# Altium PCB MB1364.PcbDoc (part 3 of 4)
Units mm, origin at the board's own origin, x right, y up, seen from the top; angles counter-clockwise.
Board outline 67.71 x 181.1 mm, 6 copper layers (Top Layer, Signal Layer 1, Signal Layer 2, Signal Layer 3, Signal Layer 4, Bottom Layer), stack 1.57 mm thick; 215 components, 268 nets, 726 pads, 253 vias.
Unrouted connection lines stored in the file: 311.
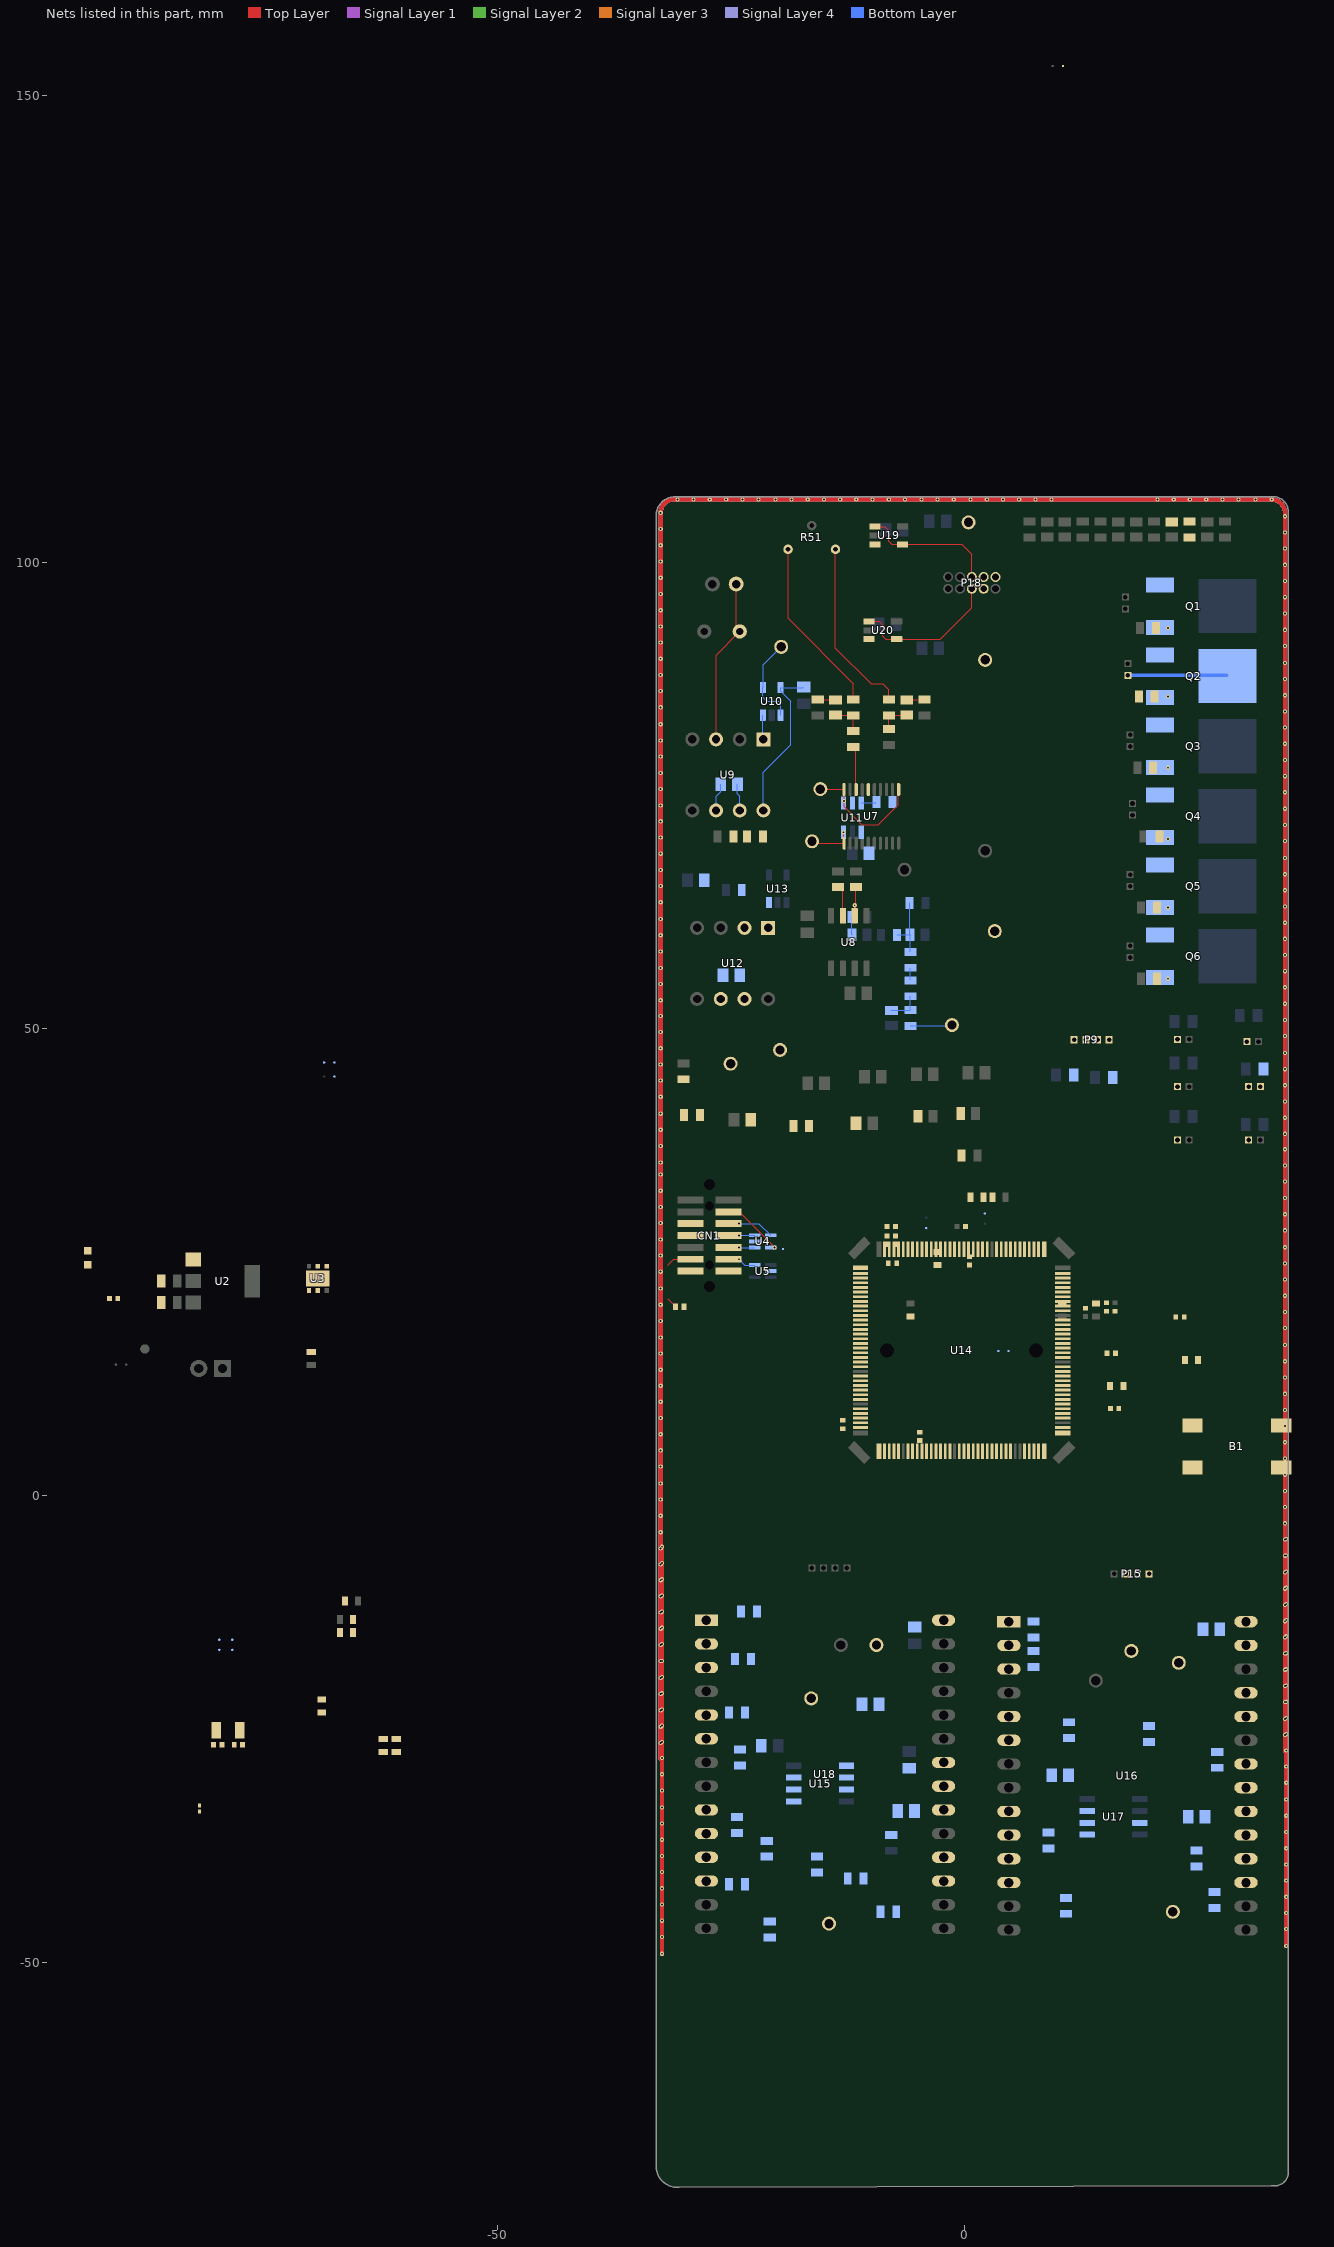
[diagram p7: the nets of this part, all layers, seen from the top]

## Via types
v1: diameter 0.45, hole 0.2, Top Layer to Bottom Layer, tented both sides, 253 vias

## Nets (pads, with @x,y where several pads share a name; then routed paths per layer and width w, separated by ;. In a path a pad name is that pad's centre, name@x,y a point inside that pad or via, vN(x,y) a via of type N, cw(c..) or ccw(c..) an arc to the next point about the centre after c; other vN are vias at no path point) (continued)
GND: B1.3 B1.4 C1.1 C2.1 C5.2 C6.1 C7.2 C8.2 C9.2 C10.2 C11.1 C12.1 C13.1 C18.1 C19.1 C20.1 C21.1 C22.1 C23.1 C24.1 C25.1 C26.1 C27.1 C28.1 C41.2 C51.2 C53.2 C56.2 C57.2 CN1.5 CN1.7 LD1.2 P1.1 P3.1 P6.1 P9.1 P9.3 P11.1 P12.1 P13.1 Q1.3 Q2.3 Q3.3 Q4.3 Q5.3 Q6.3 R3.1 R4.2 R6.2 R44.2 R47.1 R57.1 R70.1 R84.1 SB8.2 SB11.1 TP3.1 U2.1 U3.2 U3.EP U4.2 U5.2 U6.2 U7.6 U11.2 U11.4 U14.16 U14.51 U14.61 U14.83 U14.94 U14.107 U14.120 U14.130 U16.22 U18.22 | length 2517.1
  Top Layer w0.45: v1@-32.512,-28.213 v1(-32.512,-26.475) v1(-32.512,-24.75) v1(-32.512,-22.988) v1(-32.512,-21.25) v1(-32.512,-19.525) v1(-32.512,-17.713) v1(-32.512,-15.975) v1(-32.512,-14.25) v1(-32.512,-12.513) v1(-32.512,-10.775) v1(-32.512,-9.05) v1(-32.512,-7.375) v1(-32.512,-5.638) v1(-32.512,-3.913) v1(-32.512,-2.15) v1(-32.512,-0.413) v1(-32.512,1.312) v1(-32.512,3.125) v1(-32.512,4.862) v1(-32.512,6.587) v1(-32.512,8.325) v1(-32.512,10.062) v1(-32.512,11.787) v1(-32.512,13.5) v1(-32.512,15.237) v1(-32.512,16.962) v1(-32.512,18.725) v1(-32.512,20.462) v1(-32.512,22.187) v1(-32.512,24) v1(-32.512,25.737) v1(-32.512,27.462) v1(-32.512,29.2) v1(-32.512,30.937) v1(-32.512,32.662) v1(-32.512,34.4) -32.512,36.137 ; v1(-32.512,35.702) v1(-32.512,37.464) v1(-32.512,39.202) v1(-32.512,40.927) v1(-32.512,42.739) v1(-32.512,44.477) v1(-32.512,46.202) v1(-32.512,47.939) v1(-32.512,49.677) v1(-32.512,51.402) v1(-32.512,53.077) v1(-32.512,54.814) v1(-32.512,56.539) v1(-32.512,58.302) v1(-32.512,60.039) v1(-32.512,61.764) v1(-32.512,63.577) v1(-32.512,65.314) v1(-32.512,67.039) v1(-32.512,68.777) v1(-32.512,70.514) v1(-32.512,72.239) v1(-32.512,73.952) v1(-32.512,75.689) v1(-32.512,77.414) v1(-32.512,79.177) v1(-32.512,80.914) v1(-32.512,82.639) v1(-32.512,84.452) v1(-32.512,86.189) v1(-32.512,87.914) v1(-32.512,89.652) v1(-32.512,91.389) v1(-32.512,93.114) v1(-32.512,94.852) v1@-32.512,96.589 ; v1(-32.51,96.601) v1(-32.51,98.338) v1(-32.51,100.076) v1(-32.51,101.813) v1(-32.51,103.551) v1(-32.51,105.288) cw(c-31.085,105.288) -31.085,106.714 -31.076,106.705 v1(-30.723,106.705) ; v1(-32.384,-49.07) v1(-32.384,-47.257) v1(-32.384,-45.52) v1(-32.384,-43.795) v1(-32.384,-42.057) v1(-32.384,-40.32) v1(-32.384,-38.595) v1(-32.384,-36.845) v1(-32.384,-35.107) v1(-32.384,-33.382) v1(-32.384,-31.57) v1(-32.384,-29.832) v1(-32.384,-28.107) v1(-32.384,-26.37) v1(-32.384,-24.632) v1(-32.384,-22.907) v1(-32.384,-21.157) v1(-32.384,-19.42) v1(-32.384,-17.695) v1(-32.384,-15.882) v1(-32.384,-14.145) v1(-32.384,-12.42) v1(-32.384,-10.682) v1(-32.384,-8.945) v1(-32.384,-7.22) v1(-32.384,-5.47) ; -30.955,106.715 v1(-18.484,106.716) v1(-15.022,106.716) v1(-6.346,106.716) v1(-2.847,106.716) v1(4.153,106.716) 10.441,106.715 ; 10.5,106.704 v1(20.712,106.704) v1(22.449,106.704) v1(24.174,106.704) v1(25.937,106.704) v1(27.674,106.704) v1(29.399,106.704) v1(31.212,106.704) v1(32.949,106.704) cw(c32.949,105.278) 34.375,105.278 34.366,105.269 v1(34.366,104.916) v1(34.366,103.179) v1(34.366,101.454) v1(34.366,99.716) v1(34.366,97.979) v1(34.366,96.254) v1(34.366,94.491) v1(34.366,92.754) v1(34.366,91.029) v1(34.366,89.216) v1(34.366,87.479) v1(34.366,85.754) v1(34.366,84.016) v1(34.366,82.279) v1(34.366,80.554) v1(34.366,78.816) v1(34.366,77.079) v1(34.366,75.354) v1(34.366,73.591) v1(34.366,71.854) v1(34.366,70.129) v1(34.366,68.316) v1(34.366,66.579) v1(34.366,64.854) v1(34.366,63.116) v1(34.366,61.379) v1(34.366,59.654) v1(34.366,57.929) v1(34.366,56.191) v1(34.366,54.466) v1(34.366,52.704) v1(34.366,50.966) v1(34.366,49.241) v1(34.366,47.429) v1(34.366,45.691) v1(34.366,43.966) v1(34.366,42.229) v1(34.366,40.491) v1(34.366,38.766) v1(34.366,37.116) v1(34.366,35.379) v1(34.366,33.654) v1(34.366,31.891) v1(34.366,30.154) v1(34.366,28.429) v1(34.366,26.616) v1(34.366,24.879) v1(34.366,23.154) v1(34.366,21.416) v1(34.366,19.679) v1(34.366,17.954) v1(34.366,16.141) v1(34.366,14.404) v1(34.366,12.679) v1(34.366,10.916) v1(34.366,9.179) v1(34.366,7.454) ; v1@34.375,-27.384 v1(34.375,-25.646) v1(34.375,-23.921) v1(34.375,-22.109) v1(34.375,-20.371) v1(34.375,-18.646) v1(34.375,-16.909) v1(34.375,-15.171) v1(34.375,-13.446) v1(34.375,-11.696) v1(34.375,-9.959) v1(34.375,-8.234) v1(34.375,-6.421) v1(34.375,-4.684) v1(34.375,-2.959) v1(34.375,-1.221) v1(34.375,0.516) v1(34.375,2.241) v1(34.375,3.991) v1(34.375,5.729) v1@34.375,7.454 ; v1(34.503,-48.24) v1(34.503,-46.428) v1(34.503,-44.69) v1(34.503,-42.965) v1(34.503,-41.228) v1(34.503,-39.49) v1(34.503,-37.765) v1(34.503,-36.015) v1(34.503,-34.278) v1(34.503,-32.553) v1(34.503,-30.74) v1(34.503,-29.003) v1(34.503,-27.278) v1(34.503,-25.54) v1(34.503,-23.803) v1(34.503,-22.078) v1(34.503,-20.328) v1(34.503,-18.59) v1(34.503,-16.865) v1(34.503,-15.053) v1(34.503,-13.315) v1(34.503,-11.59) v1(34.503,-9.853) v1(34.503,-8.115) v1(34.503,-6.39) v1(34.503,-4.64)
  Signal Layer 1 w0.45: v1@-32.512,-28.213 v1(-32.512,-26.475) v1(-32.512,-24.75) v1(-32.512,-22.988) v1(-32.512,-21.25) v1(-32.512,-19.525) v1(-32.512,-17.713) v1(-32.512,-15.975) v1(-32.512,-14.25) v1(-32.512,-12.513) v1(-32.512,-10.775) v1(-32.512,-9.05) v1(-32.512,-7.375) v1(-32.512,-5.638) v1(-32.512,-3.913) v1(-32.512,-2.15) v1(-32.512,-0.413) v1(-32.512,1.312) v1(-32.512,3.125) v1(-32.512,4.862) v1(-32.512,6.587) v1(-32.512,8.325) v1(-32.512,10.062) v1(-32.512,11.787) v1(-32.512,13.5) v1(-32.512,15.237) v1(-32.512,16.962) v1(-32.512,18.725) v1(-32.512,20.462) v1(-32.512,22.187) v1(-32.512,24) v1(-32.512,25.737) v1(-32.512,27.462) v1(-32.512,29.2) v1(-32.512,30.937) v1(-32.512,32.662) v1(-32.512,34.4) -32.512,36.137 ; v1(-32.512,35.702) v1(-32.512,37.464) v1(-32.512,39.202) v1(-32.512,40.927) v1(-32.512,42.739) v1(-32.512,44.477) v1(-32.512,46.202) v1(-32.512,47.939) v1(-32.512,49.677) v1(-32.512,51.402) v1(-32.512,53.077) v1(-32.512,54.814) v1(-32.512,56.539) v1(-32.512,58.302) v1(-32.512,60.039) v1(-32.512,61.764) v1(-32.512,63.577) v1(-32.512,65.314) v1(-32.512,67.039) v1(-32.512,68.777) v1(-32.512,70.514) v1(-32.512,72.239) v1(-32.512,73.952) v1(-32.512,75.689) v1(-32.512,77.414) v1(-32.512,79.177) v1(-32.512,80.914) v1(-32.512,82.639) v1(-32.512,84.452) v1(-32.512,86.189) v1(-32.512,87.914) v1(-32.512,89.652) v1(-32.512,91.389) v1(-32.512,93.114) v1(-32.512,94.852) v1@-32.512,96.589 ; v1(-32.51,96.601) v1(-32.51,98.338) v1(-32.51,100.076) v1(-32.51,101.813) v1(-32.51,103.551) v1(-32.51,105.288) cw(c-31.085,105.288) -31.085,106.714 ; v1(-32.384,-49.07) v1(-32.384,-47.257) v1(-32.384,-45.52) v1(-32.384,-43.795) v1(-32.384,-42.057) v1(-32.384,-40.32) v1(-32.384,-38.595) v1(-32.384,-36.845) v1(-32.384,-35.107) v1(-32.384,-33.382) v1(-32.384,-31.57) v1(-32.384,-29.832) v1(-32.384,-28.107) v1(-32.384,-26.37) v1(-32.384,-24.632) v1(-32.384,-22.907) v1(-32.384,-21.157) v1(-32.384,-19.42) v1(-32.384,-17.695) v1(-32.384,-15.882) v1(-32.384,-14.145) v1(-32.384,-12.42) v1(-32.384,-10.682) v1(-32.384,-8.945) v1(-32.384,-7.22) v1(-32.384,-5.47) ; -30.956,106.715 v1(-9.809,106.716) v1(5.891,106.716) 10.441,106.715 ; 10.441,106.704 v1(20.712,106.704) v1(22.449,106.704) v1(24.174,106.704) v1(25.937,106.704) v1(27.674,106.704) v1(29.399,106.704) v1(31.212,106.704) v1(32.949,106.704) cw(c32.949,105.278) 34.375,105.278 34.375,99.716 34.375,91.029 34.375,84.016 34.375,78.816 34.375,66.579 34.375,61.379 34.375,54.466 34.375,43.966 34.375,38.766 34.375,21.416 34.375,16.141 34.375,12.679 34.375,7.454 v1(34.375,5.729) v1(34.375,3.991) v1(34.375,2.241) v1(34.375,0.516) v1(34.375,-1.221) v1(34.375,-2.959) v1(34.375,-4.684) v1(34.375,-6.421) v1(34.375,-8.234) v1(34.375,-9.959) v1(34.375,-11.696) v1(34.375,-13.446) v1(34.375,-15.171) v1(34.375,-16.909) v1(34.375,-18.646) v1(34.375,-20.371) v1(34.375,-22.109) v1(34.375,-23.921) v1(34.375,-25.646) v1@34.375,-27.384 ; v1(34.503,-48.24) v1(34.503,-46.428) v1(34.503,-44.69) v1(34.503,-42.965) v1(34.503,-41.228) v1(34.503,-39.49) v1(34.503,-37.765) v1(34.503,-36.015) v1(34.503,-34.278) v1(34.503,-32.553) v1(34.503,-30.74) v1(34.503,-29.003) v1(34.503,-27.278) v1(34.503,-25.54) v1(34.503,-23.803) v1(34.503,-22.078) v1(34.503,-20.328) v1(34.503,-18.59) v1(34.503,-16.865) v1(34.503,-15.053) v1(34.503,-13.315) v1(34.503,-11.59) v1(34.503,-9.853) v1(34.503,-8.115) v1(34.503,-6.39) v1(34.503,-4.64)
  Signal Layer 2 w0.45: v1@-32.512,-28.213 v1(-32.512,-26.475) v1(-32.512,-24.75) v1(-32.512,-22.988) v1(-32.512,-21.25) v1(-32.512,-19.525) v1(-32.512,-17.713) v1(-32.512,-15.975) v1(-32.512,-14.25) v1(-32.512,-12.513) v1(-32.512,-10.775) v1(-32.512,-9.05) v1(-32.512,-7.375) v1(-32.512,-5.638) v1(-32.512,-3.913) v1(-32.512,-2.15) v1(-32.512,-0.413) v1(-32.512,1.312) v1(-32.512,3.125) v1(-32.512,4.862) v1(-32.512,6.587) v1(-32.512,8.325) v1(-32.512,10.062) v1(-32.512,11.787) v1(-32.512,13.5) v1(-32.512,15.237) v1(-32.512,16.962) v1(-32.512,18.725) v1(-32.512,20.462) v1(-32.512,22.187) v1(-32.512,24) v1(-32.512,25.737) v1(-32.512,27.462) v1(-32.512,29.2) v1(-32.512,30.937) v1(-32.512,32.662) v1(-32.512,34.4) -32.512,36.137 ; v1(-32.512,35.702) v1(-32.512,37.464) v1(-32.512,39.202) v1(-32.512,40.927) v1(-32.512,42.739) v1(-32.512,44.477) v1(-32.512,46.202) v1(-32.512,47.939) v1(-32.512,49.677) v1(-32.512,51.402) v1(-32.512,53.077) v1(-32.512,54.814) v1(-32.512,56.539) v1(-32.512,58.302) v1(-32.512,60.039) v1(-32.512,61.764) v1(-32.512,63.577) v1(-32.512,65.314) v1(-32.512,67.039) v1(-32.512,68.777) v1(-32.512,70.514) v1(-32.512,72.239) v1(-32.512,73.952) v1(-32.512,75.689) v1(-32.512,77.414) v1(-32.512,79.177) v1(-32.512,80.914) v1(-32.512,82.639) v1(-32.512,84.452) v1(-32.512,86.189) v1(-32.512,87.914) v1(-32.512,89.652) v1(-32.512,91.389) v1(-32.512,93.114) v1(-32.512,94.852) v1@-32.512,96.589 ; v1(-32.51,96.601) v1(-32.51,98.338) v1(-32.51,100.076) v1(-32.51,101.813) v1(-32.51,103.551) v1(-32.51,105.288) cw(c-31.085,105.288) -31.085,106.714 ; v1(-32.384,-49.07) v1(-32.384,-47.257) v1(-32.384,-45.52) v1(-32.384,-43.795) v1(-32.384,-42.057) v1(-32.384,-40.32) v1(-32.384,-38.595) v1(-32.384,-36.845) v1(-32.384,-35.107) v1(-32.384,-33.382) v1(-32.384,-31.57) v1(-32.384,-29.832) v1(-32.384,-28.107) v1(-32.384,-26.37) v1(-32.384,-24.632) v1(-32.384,-22.907) v1(-32.384,-21.157) v1(-32.384,-19.42) v1(-32.384,-17.695) v1(-32.384,-15.882) v1(-32.384,-14.145) v1(-32.384,-12.42) v1(-32.384,-10.682) v1(-32.384,-8.945) v1(-32.384,-7.22) v1(-32.384,-5.47) ; -30.956,106.715 v1(-27.259,106.716) v1(-20.222,106.716) v1(-6.346,106.716) v1(2.428,106.716) 10.441,106.715 ; 18.728,106.704 v1(20.712,106.704) v1(22.449,106.704) v1(24.174,106.704) v1(25.937,106.704) v1(27.674,106.704) v1(29.399,106.704) v1(31.212,106.704) v1(32.949,106.704) cw(c32.949,105.278) 34.375,105.278 34.375,101.454 34.375,99.716 34.375,96.254 34.375,91.029 34.375,84.016 34.375,80.554 34.375,75.354 34.375,71.854 34.375,66.579 34.375,63.116 34.375,59.654 34.375,56.191 34.375,49.241 34.375,43.966 34.375,42.229 34.375,37.116 34.375,28.429 34.375,16.141 34.375,7.454 v1(34.375,5.729) v1(34.375,3.991) v1(34.375,2.241) v1(34.375,0.516) v1(34.375,-1.221) v1(34.375,-2.959) v1(34.375,-4.684) v1(34.375,-6.421) v1(34.375,-8.234) v1(34.375,-9.959) v1(34.375,-11.696) v1(34.375,-13.446) v1(34.375,-15.171) v1(34.375,-16.909) v1(34.375,-18.646) v1(34.375,-20.371) v1(34.375,-22.109) v1(34.375,-23.921) v1(34.375,-25.646) v1@34.375,-27.384 ; v1(34.503,-48.24) v1(34.503,-46.428) v1(34.503,-44.69) v1(34.503,-42.965) v1(34.503,-41.228) v1(34.503,-39.49) v1(34.503,-37.765) v1(34.503,-36.015) v1(34.503,-34.278) v1(34.503,-32.553) v1(34.503,-30.74) v1(34.503,-29.003) v1(34.503,-27.278) v1(34.503,-25.54) v1(34.503,-23.803) v1(34.503,-22.078) v1(34.503,-20.328) v1(34.503,-18.59) v1(34.503,-16.865) v1(34.503,-15.053) v1(34.503,-13.315) v1(34.503,-11.59) v1(34.503,-9.853) v1(34.503,-8.115) v1(34.503,-6.39) v1(34.503,-4.64)
  Signal Layer 3 w0.45: v1@-32.512,-28.213 v1(-32.512,-26.475) v1(-32.512,-24.75) v1(-32.512,-22.988) v1(-32.512,-21.25) v1(-32.512,-19.525) v1(-32.512,-17.713) v1(-32.512,-15.975) v1(-32.512,-14.25) v1(-32.512,-12.513) v1(-32.512,-10.775) v1(-32.512,-9.05) v1(-32.512,-7.375) v1(-32.512,-5.638) v1(-32.512,-3.913) v1(-32.512,-2.15) v1(-32.512,-0.413) v1(-32.512,1.312) v1(-32.512,3.125) v1(-32.512,4.862) v1(-32.512,6.587) v1(-32.512,8.325) v1(-32.512,10.062) v1(-32.512,11.787) v1(-32.512,13.5) v1(-32.512,15.237) v1(-32.512,16.962) v1(-32.512,18.725) v1(-32.512,20.462) v1(-32.512,22.187) v1(-32.512,24) v1(-32.512,25.737) v1(-32.512,27.462) v1(-32.512,29.2) v1(-32.512,30.937) v1(-32.512,32.662) v1(-32.512,34.4) -32.512,36.137 ; v1(-32.512,35.702) v1(-32.512,37.464) v1(-32.512,39.202) v1(-32.512,40.927) v1(-32.512,42.739) v1(-32.512,44.477) v1(-32.512,46.202) v1(-32.512,47.939) v1(-32.512,49.677) v1(-32.512,51.402) v1(-32.512,53.077) v1(-32.512,54.814) v1(-32.512,56.539) v1(-32.512,58.302) v1(-32.512,60.039) v1(-32.512,61.764) v1(-32.512,63.577) v1(-32.512,65.314) v1(-32.512,67.039) v1(-32.512,68.777) v1(-32.512,70.514) v1(-32.512,72.239) v1(-32.512,73.952) v1(-32.512,75.689) v1(-32.512,77.414) v1(-32.512,79.177) v1(-32.512,80.914) v1(-32.512,82.639) v1(-32.512,84.452) v1(-32.512,86.189) v1(-32.512,87.914) v1(-32.512,89.652) v1(-32.512,91.389) v1(-32.512,93.114) v1(-32.512,94.852) v1@-32.512,96.589 ; v1(-32.51,96.601) v1(-32.51,98.338) v1(-32.51,100.076) v1(-32.51,101.813) v1(-32.51,103.551) v1(-32.51,105.288) cw(c-31.085,105.288) -31.085,106.714 v1@-30.723,106.714 ; v1(-32.384,-49.07) v1(-32.384,-47.257) v1(-32.384,-45.52) v1(-32.384,-43.795) v1(-32.384,-42.057) v1(-32.384,-40.32) v1(-32.384,-38.595) v1(-32.384,-36.845) v1(-32.384,-35.107) v1(-32.384,-33.382) v1(-32.384,-31.57) v1(-32.384,-29.832) v1(-32.384,-28.107) v1(-32.384,-26.37) v1(-32.384,-24.632) v1(-32.384,-22.907) v1(-32.384,-21.157) v1(-32.384,-19.42) v1(-32.384,-17.695) v1(-32.384,-15.882) v1(-32.384,-14.145) v1(-32.384,-12.42) v1(-32.384,-10.682) v1(-32.384,-8.945) v1(-32.384,-7.22) v1(-32.384,-5.47) ; -30.956,106.715 v1(-23.759,106.716) v1(-20.222,106.716) v1(-13.284,106.716) v1(2.428,106.716) 10.441,106.715 ; 10.441,106.704 v1(20.712,106.704) v1(22.449,106.704) v1(24.174,106.704) v1(25.937,106.704) v1(27.674,106.704) v1(29.399,106.704) v1(31.212,106.704) v1(32.949,106.704) cw(c32.949,105.278) 34.375,105.278 34.375,104.916 34.375,97.979 34.375,89.216 34.375,80.554 34.375,75.354 34.375,71.854 34.375,66.579 34.375,63.116 34.375,43.966 34.375,35.379 34.375,30.154 34.375,24.879 v1@34.375,16.141 ; v1@34.375,-27.384 v1(34.375,-25.646) v1(34.375,-23.921) v1(34.375,-22.109) v1(34.375,-20.371) v1(34.375,-18.646) v1(34.375,-16.909) v1(34.375,-15.171) v1(34.375,-13.446) v1(34.375,-11.696) v1(34.375,-9.959) v1(34.375,-8.234) v1(34.375,-6.421) v1(34.375,-4.684) v1(34.375,-2.959) v1(34.375,-1.221) v1(34.375,0.516) v1(34.375,2.241) v1(34.375,3.991) v1(34.375,5.729) v1@34.375,7.454 ; v1(34.503,-48.24) v1(34.503,-46.428) v1(34.503,-44.69) v1(34.503,-42.965) v1(34.503,-41.228) v1(34.503,-39.49) v1(34.503,-37.765) v1(34.503,-36.015) v1(34.503,-34.278) v1(34.503,-32.553) v1(34.503,-30.74) v1(34.503,-29.003) v1(34.503,-27.278) v1(34.503,-25.54) v1(34.503,-23.803) v1(34.503,-22.078) v1(34.503,-20.328) v1(34.503,-18.59) v1(34.503,-16.865) v1(34.503,-15.053) v1(34.503,-13.315) v1(34.503,-11.59) v1(34.503,-9.853) v1(34.503,-8.115) v1(34.503,-6.39) v1(34.503,-4.64)
  Signal Layer 4 w0.45: v1@-32.512,-28.213 v1(-32.512,-26.475) v1(-32.512,-24.75) v1(-32.512,-22.988) v1(-32.512,-21.25) v1(-32.512,-19.525) v1(-32.512,-17.713) v1(-32.512,-15.975) v1(-32.512,-14.25) v1(-32.512,-12.513) v1(-32.512,-10.775) v1(-32.512,-9.05) v1(-32.512,-7.375) v1(-32.512,-5.638) v1(-32.512,-3.913) v1(-32.512,-2.15) v1(-32.512,-0.413) v1(-32.512,1.312) v1(-32.512,3.125) v1(-32.512,4.862) v1(-32.512,6.587) v1(-32.512,8.325) v1(-32.512,10.062) v1(-32.512,11.787) v1(-32.512,13.5) v1(-32.512,15.237) v1(-32.512,16.962) v1(-32.512,18.725) v1(-32.512,20.462) v1(-32.512,22.187) v1(-32.512,24) v1(-32.512,25.737) v1(-32.512,27.462) v1(-32.512,29.2) v1(-32.512,30.937) v1(-32.512,32.662) v1(-32.512,34.4) -32.512,36.137 ; v1(-32.512,35.702) v1(-32.512,37.464) v1(-32.512,39.202) v1(-32.512,40.927) v1(-32.512,42.739) v1(-32.512,44.477) v1(-32.512,46.202) v1(-32.512,47.939) v1(-32.512,49.677) v1(-32.512,51.402) v1(-32.512,53.077) v1(-32.512,54.814) v1(-32.512,56.539) v1(-32.512,58.302) v1(-32.512,60.039) v1(-32.512,61.764) v1(-32.512,63.577) v1(-32.512,65.314) v1(-32.512,67.039) v1(-32.512,68.777) v1(-32.512,70.514) v1(-32.512,72.239) v1(-32.512,73.952) v1(-32.512,75.689) v1(-32.512,77.414) v1(-32.512,79.177) v1(-32.512,80.914) v1(-32.512,82.639) v1(-32.512,84.452) v1(-32.512,86.189) v1(-32.512,87.914) v1(-32.512,89.652) v1(-32.512,91.389) v1(-32.512,93.114) v1(-32.512,94.852) v1@-32.512,96.589 ; v1(-32.51,96.601) v1(-32.51,98.338) v1(-32.51,100.076) v1(-32.51,101.813) v1(-32.51,103.551) v1(-32.51,105.288) cw(c-31.085,105.288) -31.085,106.714 ; v1(-32.384,-49.07) v1(-32.384,-47.257) v1(-32.384,-45.52) v1(-32.384,-43.795) v1(-32.384,-42.057) v1(-32.384,-40.32) v1(-32.384,-38.595) v1(-32.384,-36.845) v1(-32.384,-35.107) v1(-32.384,-33.382) v1(-32.384,-31.57) v1(-32.384,-29.832) v1(-32.384,-28.107) v1(-32.384,-26.37) v1(-32.384,-24.632) v1(-32.384,-22.907) v1(-32.384,-21.157) v1(-32.384,-19.42) v1(-32.384,-17.695) v1(-32.384,-15.882) v1(-32.384,-14.145) v1(-32.384,-12.42) v1(-32.384,-10.682) v1(-32.384,-8.945) v1(-32.384,-7.22) v1(-32.384,-5.47) ; -30.956,106.715 v1(-23.759,106.716) v1(-20.222,106.716) v1(-11.559,106.716) v1(-9.809,106.716) v1(2.428,106.716) v1(5.891,106.716) 10.441,106.715 ; 10.4,106.704 v1(20.712,106.704) v1(22.449,106.704) v1(24.174,106.704) v1(25.937,106.704) v1(27.674,106.704) v1(29.399,106.704) v1(31.212,106.704) v1(32.949,106.704) cw(c32.949,105.278) 34.375,105.278 34.375,103.179 34.375,97.979 34.375,92.754 34.375,87.479 34.375,84.016 34.375,77.079 34.375,73.591 34.375,64.854 34.375,54.466 34.375,52.704 34.375,45.691 34.375,33.654 34.375,31.891 34.375,21.416 34.375,16.141 34.375,12.679 34.375,7.454 v1(34.375,5.729) v1(34.375,3.991) v1(34.375,2.241) v1(34.375,0.516) v1(34.375,-1.221) v1(34.375,-2.959) v1(34.375,-4.684) v1(34.375,-6.421) v1(34.375,-8.234) v1(34.375,-9.959) v1(34.375,-11.696) v1(34.375,-13.446) v1(34.375,-15.171) v1(34.375,-16.909) v1(34.375,-18.646) v1(34.375,-20.371) v1(34.375,-22.109) v1(34.375,-23.921) v1(34.375,-25.646) v1@34.375,-27.384 ; v1(34.503,-48.24) v1(34.503,-46.428) v1(34.503,-44.69) v1(34.503,-42.965) v1(34.503,-41.228) v1(34.503,-39.49) v1(34.503,-37.765) v1(34.503,-36.015) v1(34.503,-34.278) v1(34.503,-32.553) v1(34.503,-30.74) v1(34.503,-29.003) v1(34.503,-27.278) v1(34.503,-25.54) v1(34.503,-23.803) v1(34.503,-22.078) v1(34.503,-20.328) v1(34.503,-18.59) v1(34.503,-16.865) v1(34.503,-15.053) v1(34.503,-13.315) v1(34.503,-11.59) v1(34.503,-9.853) v1(34.503,-8.115) v1(34.503,-6.39) v1(34.503,-4.64)
  Bottom Layer w0.45: v1@-32.512,-28.213 v1(-32.512,-26.475) v1(-32.512,-24.75) v1(-32.512,-22.988) v1(-32.512,-21.25) v1(-32.512,-19.525) v1(-32.512,-17.713) v1(-32.512,-15.975) v1(-32.512,-14.25) v1(-32.512,-12.513) v1(-32.512,-10.775) v1(-32.512,-9.05) v1(-32.512,-7.375) v1(-32.512,-5.638) v1(-32.512,-3.913) v1(-32.512,-2.15) v1(-32.512,-0.413) v1(-32.512,1.312) v1(-32.512,3.125) v1(-32.512,4.862) v1(-32.512,6.587) v1(-32.512,8.325) v1(-32.512,10.062) v1(-32.512,11.787) v1(-32.512,13.5) v1(-32.512,15.237) v1(-32.512,16.962) v1(-32.512,18.725) v1(-32.512,20.462) v1(-32.512,22.187) v1(-32.512,24) v1(-32.512,25.737) v1(-32.512,27.462) v1(-32.512,29.2) v1(-32.512,30.937) v1(-32.512,32.662) v1(-32.512,34.4) -32.512,36.137 ; v1(-32.512,35.702) v1(-32.512,37.464) v1(-32.512,39.202) v1(-32.512,40.927) v1(-32.512,42.739) v1(-32.512,44.477) v1(-32.512,46.202) v1(-32.512,47.939) v1(-32.512,49.677) v1(-32.512,51.402) v1(-32.512,53.077) v1(-32.512,54.814) v1(-32.512,56.539) v1(-32.512,58.302) v1(-32.512,60.039) v1(-32.512,61.764) v1(-32.512,63.577) v1(-32.512,65.314) v1(-32.512,67.039) v1(-32.512,68.777) v1(-32.512,70.514) v1(-32.512,72.239) v1(-32.512,73.952) v1(-32.512,75.689) v1(-32.512,77.414) v1(-32.512,79.177) v1(-32.512,80.914) v1(-32.512,82.639) v1(-32.512,84.452) v1(-32.512,86.189) v1(-32.512,87.914) v1(-32.512,89.652) v1(-32.512,91.389) v1(-32.512,93.114) v1(-32.512,94.852) v1@-32.512,96.589 ; v1(-32.51,96.601) v1(-32.51,98.338) v1(-32.51,100.076) v1(-32.51,101.813) v1(-32.51,103.551) v1(-32.51,105.288) cw(c-31.085,105.288) -31.085,106.714 v1@-30.723,106.714 ; v1(-32.384,-49.07) v1(-32.384,-47.257) v1(-32.384,-45.52) v1(-32.384,-43.795) v1(-32.384,-42.057) v1(-32.384,-40.32) v1(-32.384,-38.595) v1(-32.384,-36.845) v1(-32.384,-35.107) v1(-32.384,-33.382) v1(-32.384,-31.57) v1(-32.384,-29.832) v1(-32.384,-28.107) v1(-32.384,-26.37) v1(-32.384,-24.632) v1(-32.384,-22.907) v1(-32.384,-21.157) v1(-32.384,-19.42) v1(-32.384,-17.695) v1(-32.384,-15.882) v1(-32.384,-14.145) v1(-32.384,-12.42) v1(-32.384,-10.682) v1(-32.384,-8.945) v1(-32.384,-7.22) v1(-32.384,-5.47) ; -30.956,106.715 v1(-23.759,106.716) v1(-20.222,106.716) v1(-9.809,106.716) v1(2.428,106.716) 10.441,106.715 ; 10.441,106.704 v1(20.712,106.704) v1(22.449,106.704) v1(24.174,106.704) v1(25.937,106.704) v1(27.674,106.704) v1(29.399,106.704) v1(31.212,106.704) v1(32.949,106.704) cw(c32.949,105.278) 34.375,105.278 34.375,104.916 34.375,97.979 34.375,87.479 34.375,84.016 34.375,75.354 34.375,66.579 34.375,59.654 34.375,56.191 34.375,49.241 34.375,43.966 34.375,42.229 34.375,37.116 34.375,30.154 34.375,24.879 34.375,21.416 34.375,16.141 34.375,14.404 34.375,7.454 v1(34.375,5.729) v1(34.375,3.991) v1(34.375,2.241) v1(34.375,0.516) v1(34.375,-1.221) v1(34.375,-2.959) v1(34.375,-4.684) v1(34.375,-6.421) v1(34.375,-8.234) v1(34.375,-9.959) v1(34.375,-11.696) v1(34.375,-13.446) v1(34.375,-15.171) v1(34.375,-16.909) v1(34.375,-18.646) v1(34.375,-20.371) v1(34.375,-22.109) v1(34.375,-23.921) v1(34.375,-25.646) v1@34.375,-27.384 ; v1(34.503,-48.24) v1(34.503,-46.428) v1(34.503,-44.69) v1(34.503,-42.965) v1(34.503,-41.228) v1(34.503,-39.49) v1(34.503,-37.765) v1(34.503,-36.015) v1(34.503,-34.278) v1(34.503,-32.553) v1(34.503,-30.74) v1(34.503,-29.003) v1(34.503,-27.278) v1(34.503,-25.54) v1(34.503,-23.803) v1(34.503,-22.078) v1(34.503,-20.328) v1(34.503,-18.59) v1(34.503,-16.865) v1(34.503,-15.053) v1(34.503,-13.315) v1(34.503,-11.59) v1(34.503,-9.853) v1(34.503,-8.115) v1(34.503,-6.39) v1(34.503,-4.64)